# Altium PCB AIM2 REVB.PcbDoc (part 1 of 4) (continued)
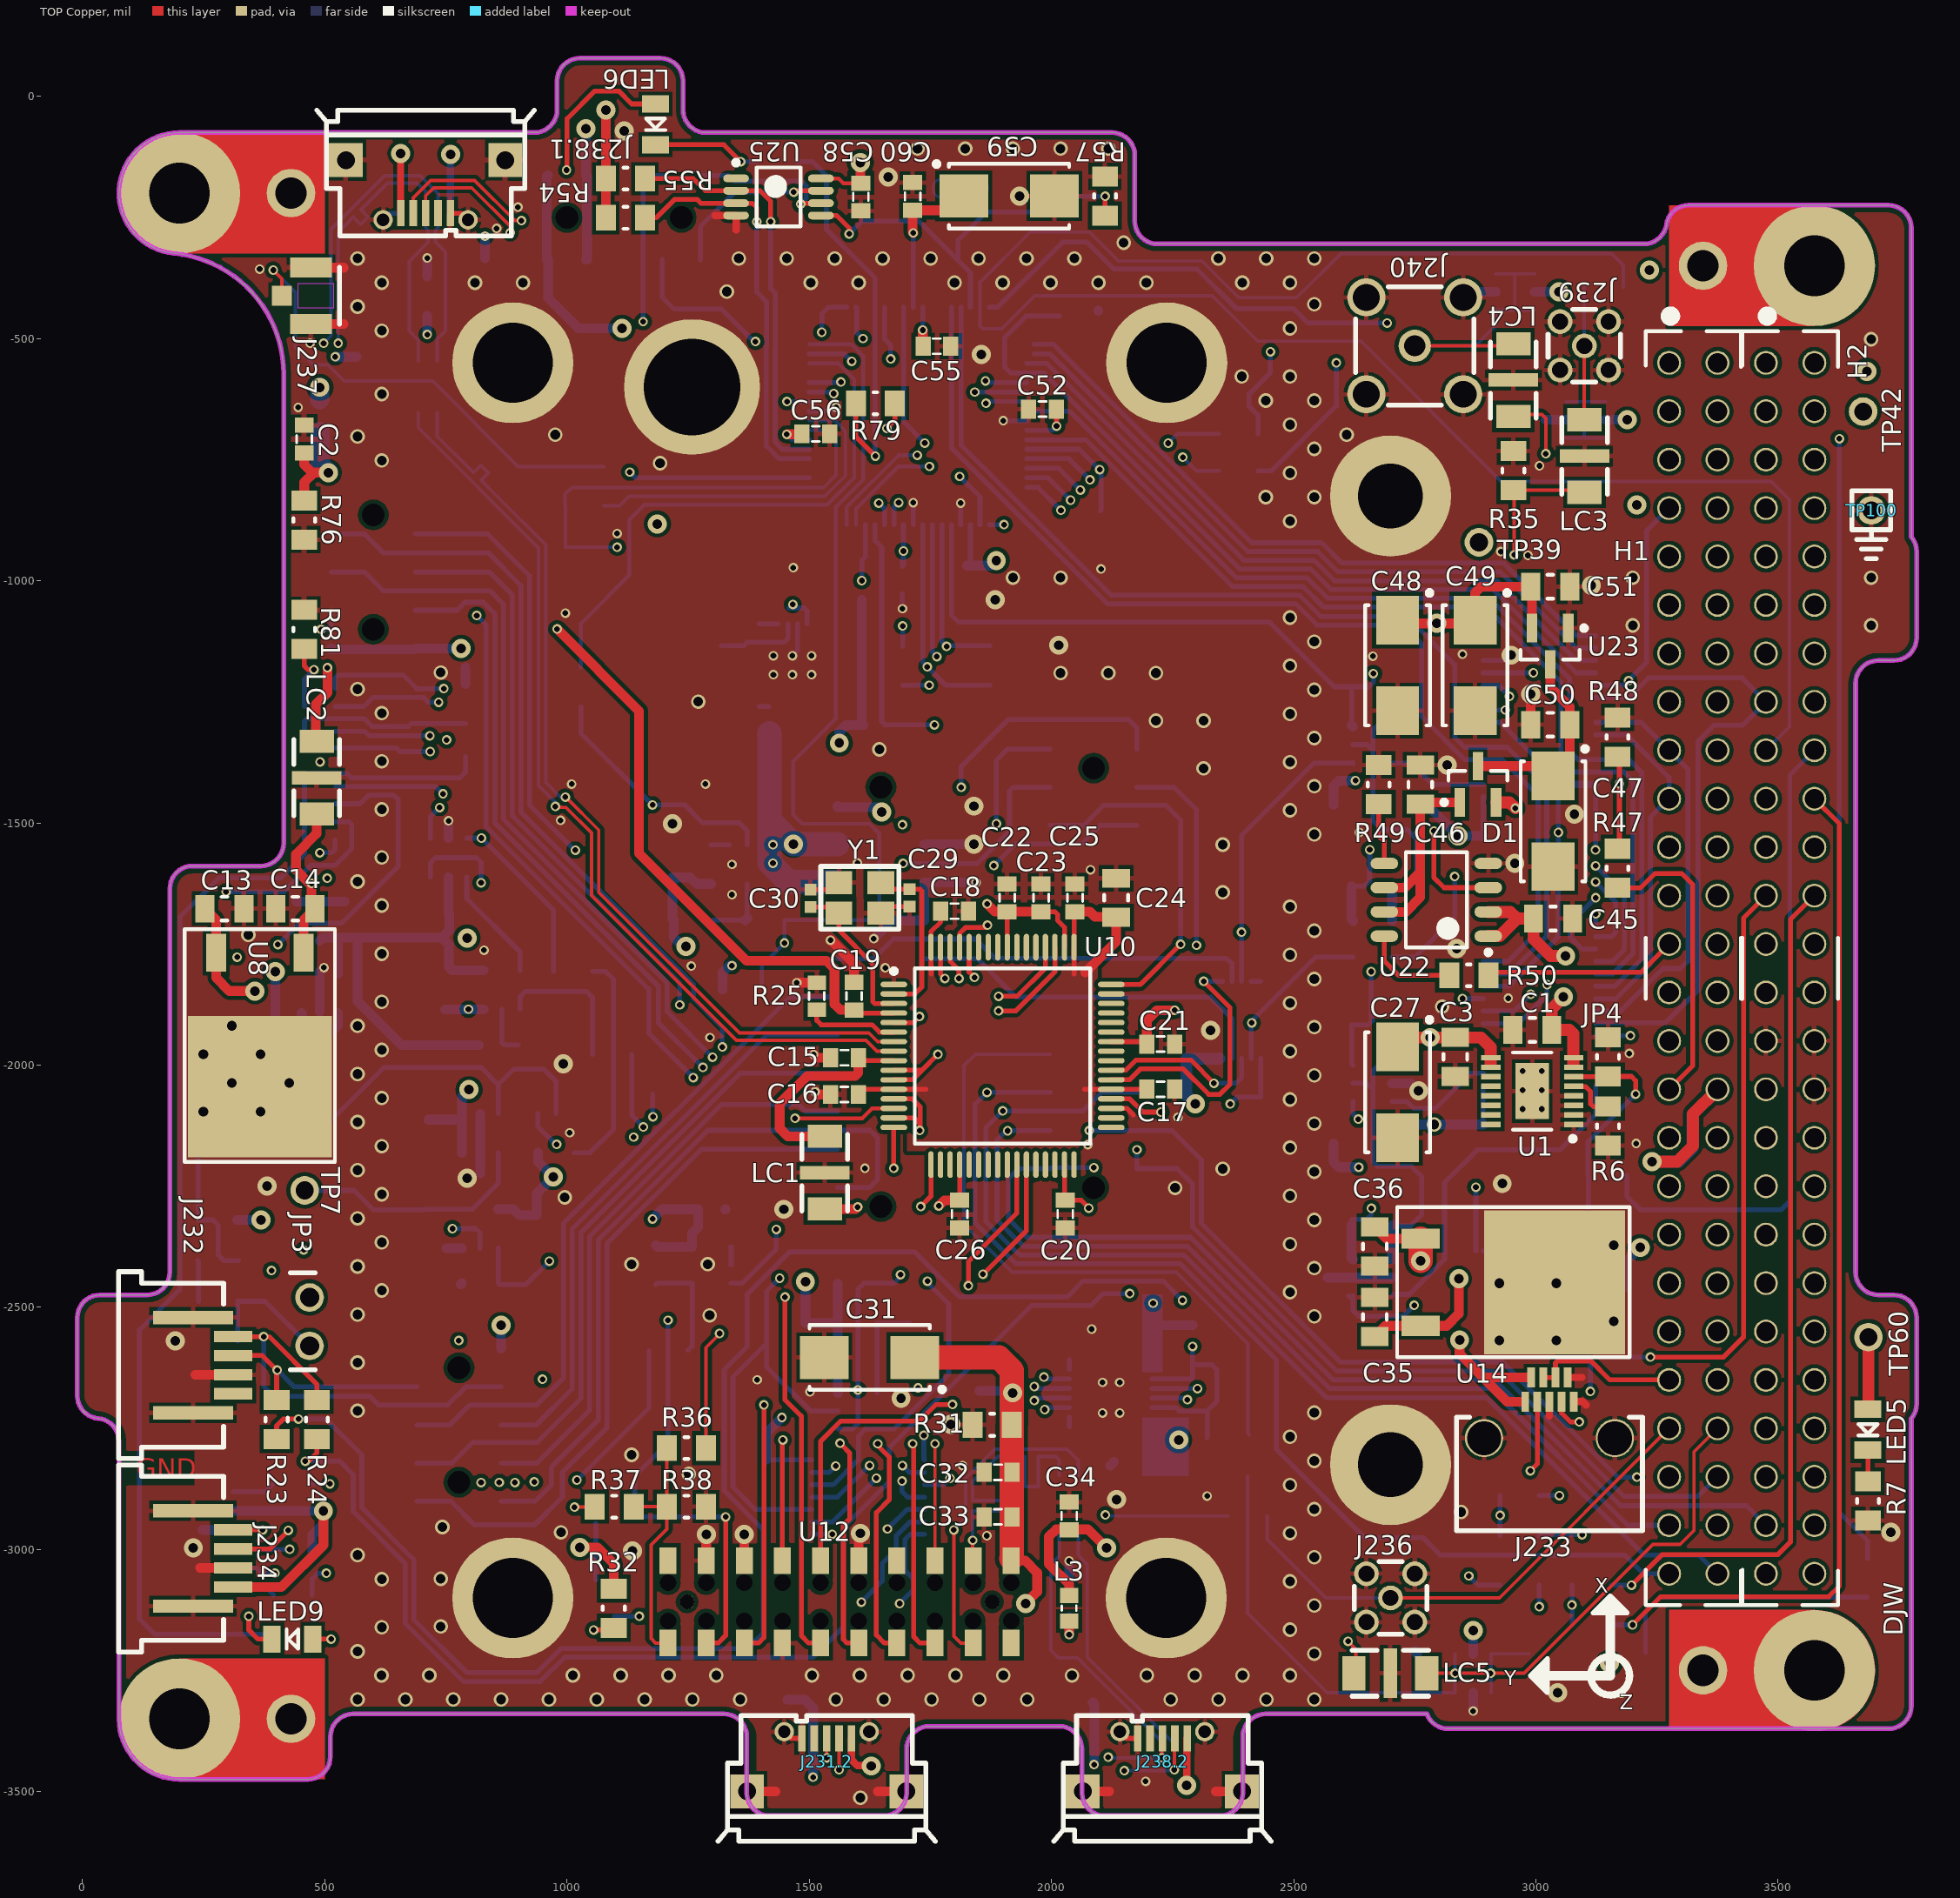
[diagram p0: TOP Copper view]
## Footprints (in the part's own frame and the unit in brackets; to place one, negate y for a bottom-side part, rotate by r counter-clockwise, add the part's x,y. Pads: shape width x height; smd on the part's side, far side on the other; paste and mask are expansions set on the pad)
28-TSSOP [mm] "TSOP, 28-Leads, Body 9.70x4.40mm, Pitch 0.65mm, IPC Medium Density"
  oval 1.4x0.406 smd mask+0.025: 1(-2.95,4.225) 2(-2.95,3.575) 3(-2.95,2.925) 4(-2.95,2.275) 5(-2.95,1.625) 6(-2.95,0.975) 7(-2.95,0.325) 8(-2.95,-0.325) 9(-2.95,-0.975) 10(-2.95,-1.625) 11(-2.95,-2.275) 12(-2.95,-2.925) 13(-2.95,-3.575) 14(-2.95,-4.225) 15(2.95,-4.225) 16(2.95,-3.575) 17(2.95,-2.925) 18(2.95,-2.275) 19(2.95,-1.625) 20(2.95,-0.975) 21(2.95,-0.325) 22(2.95,0.325) 23(2.95,0.975) 24(2.95,1.625) 25(2.95,2.275) 26(2.95,2.925) 27(2.95,3.575) 28(2.95,4.225)
  silkscreen extent -3.07,-4.9 1.85,5.12, body extent -2.25,-4.9 2.25,4.9, height 1.2
"0402 CAP" [mm] "Chip Capacitor, 2-Leads, Body 1.00x0.50mm, IPC Medium Density"
  rect 0.62x0.62 smd mask+0.051: 1(-0.46,0) 2(0.46,0)
  body extent -0.53,-0.28 0.53,0.27, height 0.55
"0603 CAP" [mm] "Chip Capacitor, 2-Leads, Body 1.60x0.81mm, IPC Medium Density"
  rect 0.798x1 smd mask+0.051: 1(-0.726,0) 2(0.726,0)
  silkscreen extent -0.2,-0.4 0.2,0.4, body extent -0.87,-0.48 0.87,0.48, height 0.9
"0603 IND" [mm] "Chip Inductor, 2-Leads, Body 1.60x0.85mm, IPC Medium Density"
  rect 0.8x0.95 smd: 1(-0.675,0) 2(0.675,0)
  silkscreen extent -0.13,-0.38 0.13,0.38, body extent -0.87,-0.48 0.87,0.48, height 0.55
"0603 RES" [mm] "Chip Resistor, 2-Leads, Body 1.60x0.85mm, IPC Medium Density"
  rect 0.739x0.95 smd mask+0.051: 1(-0.705,0) 2(0.705,0)
  silkscreen extent -0.2,-0.4 0.2,0.4, body extent -0.87,-0.48 0.87,0.48, height 0.55
"0805 CAP" [mm] "Chip Capacitor, 2-Leads, Body 2.05x1.25mm, IPC Medium Density"
  rect 1x1.45 smd: 1(-1.025,0) 2(1.025,0)
  silkscreen extent -0.15,-0.63 0.15,0.63, body extent -1.1,-0.7 1.1,0.7, height 1
"0805 LED-GREEN" [mm] "Chip LED, 2-Leads, Body 2.05x1.25mm, IPC Medium Density"
  rect 0.91x1.41 smd: 1(-1.07,0) 2(1.07,0)
  silkscreen extent -0.3,-0.51 0.3,0.5, body extent -1.1,-0.7 1.1,0.7, height 0.8
"0805 LED-ORANGE" [mm] "Chip LED, 2-Leads, Body 2.05x1.25mm, IPC Medium Density"
  rect 0.91x1.41 smd: 1(-1.07,0) 2(1.07,0)
  silkscreen extent -0.3,-0.51 0.3,0.5, body extent -1.1,-0.7 1.1,0.7, height 0.8
"0805 LED-RED" [mm] "Chip LED, 2-Leads, Body 2.05x1.25mm, IPC Medium Density"
  rect 0.91x1.41 smd: 1(-1.07,0) 2(1.07,0)
  silkscreen extent -0.3,-0.51 0.3,0.5, body extent -1.1,-0.7 1.1,0.7, height 0.8
"0805 RES" [mm] "Chip Resistor, 2-Leads, Body 2.05x1.25mm, IPC Medium Density"
  rect 1.05x1.35 smd: 1(-1.025,0) 2(1.025,0)
  silkscreen extent -0.1,-0.58 0.1,0.58, body extent -1.1,-0.7 1.1,0.7, height 0.5
"0805 RES 1 way jumper" [mm] "Chip Resistor, 2-Leads, Body 2.05x1.25mm, IPC Medium Density"
  rect 1.05x1.35 smd: 1(-1.025,0) 2(1.025,0)
  silkscreen extent -0.1,-0.58 0.1,0.58
"0805 RES 2 way jumper - 1" [mm] "Chip Resistor, 2-Leads, Body 2.05x1.25mm, IPC Medium Density"
  rect 1.05x1.35 smd: 1(-1.025,0) 2(1.025,0) 3(3.075,0)
  silkscreen extent -0.07,-0.58 2.13,0.58, body extent -1.07,-0.7 1.13,0.7, height 0.5
"0805 RES - DNP" [mm] "Chip Resistor, 2-Leads, Body 2.05x1.25mm, IPC Medium Density"
  rect 1.05x1.35 smd: 1(-1.025,0) 2(1.025,0)
  silkscreen extent -0.1,-0.58 0.1,0.58
"6032 POLAR CAP" [mm] "Molded Capacitor, 2-Leads, Body 6.00x3.20mm, IPC Medium Density"
  rect 2.55x2.25 smd paste-0.2: 1(-2.375,0) 2(2.375,0)
  silkscreen extent -3.92,-1.7 3.15,1.8, body extent -3.2,-1.7 3.2,1.7, height 2.5
A29100-009 [mil]
  rect 16x41.5 smd mask+0: 1(-50,75.2) 2(-25,75.2) 3(0,75.2) 4(25,75.2) 5(50,75.2) 6(-37.5,125.2) 7(-12.5,125.2) 8(12.5,125.2) 9(37.5,125.2)
  round 78.74 hole 70.08: F(-135.04,0) F(135.04,0)
  silkscreen extent -192,-191 192,43, body extent -187,-187 188,138, height 140
DFN250P320X200-4N [mm] "DFN, 4-Leads, Body 1.60x3.20mm, Pitch 2.50mm, IPC Medium Density"
  rect 1.1x0.6 smd: 1(-1.35,0.5) 2(1.35,0.5) 3(1.35,-0.5) 4(-1.35,-0.5)
  silkscreen extent -1.75,1.25 -1.65,1.35, body extent -1.7,-0.9 1.7,0.9, height 2
DPAK [mm] "D2-PAK/TO-263-AB; 3 Leads (1 Cropped); Body 15.5 (inc. leads) x 10.5 mm (LxW max)"
  rect 1.05x2 smd: 1(-2.29,-5.5) 3(2.29,-5.5)
  rect 7.55x7.4 smd: 2(0,1.524)
  silkscreen extent -3.94,-6.73 3.94,5.46, body extent -3.37,-5.08 3.37,5.02, height 2.37
ELK [mil]
  rect 48x70.87 smd: 1(-75,0) 3(75,0)
  rect 28x102.36 smd: 2(0,0)
  silkscreen extent -79,-47 79,47, body extent -63,-35 63,35, height 87
ESQ-126-37-G-D [mm] "ESQ-126-37-G-D Samtech 52-pin connector"
  round 1.25 hole 1.02: 1(-31.75,-1.27) 2(-31.75,1.27) 3(-29.21,-1.27) 4(-29.21,1.27) 5(-26.67,-1.27) 6(-26.67,1.27) 7(-24.13,-1.27) 8(-24.13,1.27) 9(-21.59,-1.27) 10(-21.59,1.27) 11(-19.05,-1.27) 12(-19.05,1.27) 13(-16.51,-1.27) 14(-16.51,1.27) 15(-13.97,-1.27) 16(-13.97,1.27) 17(-11.43,-1.27) 18(-11.43,1.27) 19(-8.89,-1.27) 20(-8.89,1.27) 21(-6.35,-1.27) 22(-6.35,1.27) 23(-3.81,-1.27) 24(-3.81,1.27) 25(-1.27,-1.27) 26(-1.27,1.27) 27(1.27,-1.27) 28(1.27,1.27) 29(3.81,-1.27) 30(3.81,1.27) 31(6.35,-1.27) 32(6.35,1.27) 33(8.89,-1.27) 34(8.89,1.27) 35(11.43,-1.27) 36(11.43,1.27) 37(13.97,-1.27) 38(13.97,1.27) 39(16.51,-1.27) 40(16.51,1.27) 41(19.05,-1.27) 42(19.05,1.27) 43(21.59,-1.27) 44(21.59,1.27) 45(24.13,-1.27) 46(24.13,1.27) 47(26.67,-1.27) 48(26.67,1.27) 49(29.21,-1.27) 50(29.21,1.27) 51(31.75,-1.27) 52(31.75,1.27)
  silkscreen extent -34.45,-2.5 33.4,2.5, body extent -33.27,-2.48 33.27,2.47, height 11.04
"FQ Crystal" [mm]
  rect 1.4x1.2 smd mask+0.076: 1(-1.1,-0.8) 3(1.1,0.8) F(-1.1,0.8) F(1.1,-0.8)
  silkscreen extent -2.05,-1.65 2.05,1.65, body extent -1.6,-1.25 1.6,1.25, height 0.75
"GND Testpoint" [mm]
  round 1.5 hole 0.94: 1(0,0)
  silkscreen extent -1.02,-2.54 1.02,1.02
"LED SMT RG" [mm]
  rect 1x0.6 smd mask+0.051: 1(0.8,0.475) 2(-0.8,0.475) 3(-0.8,-0.475) 4(0.8,-0.475)
  silkscreen extent -1.28,-0.06 -1.16,0.06, body extent -1,-0.63 1,0.63, height 0.4
MCX [mm]
  round 1.7 hole 1.1: 1(0,0)
  round 2 hole 1.4: 2(-2.54,2.54) 2(-2.54,-2.54) 2(2.54,2.54) 2(2.54,-2.54)
  silkscreen extent -3.1,-3.1 3.1,3.1, body extent -3,-3 3,3, height 5.81
mmcx [mm]
  round 1.3 hole 0.84: 1(0,0) 2(-1.27,1.27) 2(-1.27,-1.27) 2(1.27,1.27) 2(1.27,-1.27)
  silkscreen extent -1.9,-1.9 1.9,1.9, body extent -1.75,-1.75 1.75,1.75, height 4.49
MSOP-10 [mm] "TSSOP, 10-Leads, Body 3.00x3.00mm, Pitch 0.50mm, IPC Medium Density"
  oval 1.65x0.292 smd mask+0: 1(-2.025,1) 2(-2.025,0.5) 3(-2.025,0) 4(-2.025,-0.5) 5(-2.025,-1) 6(2.025,-1) 7(2.025,-0.5) 8(2.025,0) 9(2.025,0.5) 10(2.025,1)
  silkscreen extent -2.15,-1.5 0.8,1.85, body extent -2.37,-1.5 2.37,1.5, height 1.1
MSOP-16 [mm] "MSOP-23, 16-Leads, Exposed Die Pad, Body 4.1x3.1mm"
  rect 1.01x0.292 smd mask+0: 1(-2.17,1.75) 2(-2.17,1.25) 3(-2.17,0.75) 4(-2.17,0.25) 5(-2.17,-0.25) 6(-2.17,-0.75) 7(-2.17,-1.25) 8(-2.17,-1.75) 9(2.17,-1.75) 10(2.17,-1.25) 11(2.17,-0.75) 12(2.17,-0.25) 13(2.17,0.25) 14(2.17,0.75) 15(2.17,1.25) 16(2.17,1.75)
  rect 1.75x2.945 smd paste-2 mask+0: 17(0,0)
  silkscreen extent -2.25,-2.02 1,2.62, body extent -2.44,-2.02 2.44,2.03, height 1
OEM719 [mil]
  rect 35x55 smd: 1(-277.76,97.96) 2(-277.76,-72.04) 3(-199.06,97.96) 4(-199.06,-72.04) 5(-120.36,97.96) 6(-120.36,-72.04) 7(-41.66,97.96) 8(-41.66,-72.04) 9(37.04,97.96) 10(37.04,-72.04) 11(115.74,97.96) 12(115.74,-72.04) 13(194.44,97.96) 14(194.44,-72.04) 15(273.14,97.96) 16(273.14,-72.04) 17(351.84,97.96) 18(351.84,-72.04) 19(430.54,97.96) 20(430.54,-72.04)
  round 250 hole 165: F(-598.83,-2545.09) F(-597.83,4.91) F(751.17,4.91) F(751.17,-2545.09)
  round 30 hole 34 unplated: ""(-277.76,-26.41) ""(-277.76,52.34) ""(-199.06,-26.41) ""(-199.06,52.34) ""(-120.36,-26.41) ""(-120.36,52.34) ""(-41.66,52.34) ""(-41.66,-26.41) ""(37.04,52.34) ""(37.04,-26.41) ""(115.74,-26.41) ""(115.74,52.34) ""(194.44,-26.41) ""(194.44,52.34) ""(273.14,-26.41) ""(273.14,52.34) ""(351.84,-26.41) ""(351.84,52.34) ""(430.54,-26.41) ""(430.54,52.34)
  round 30 hole 30: ""(-238.41,12.96) ""(391.19,12.96)
  body extent -316,-90 471,113, height 87
SFW4R-2STE1LF [mm]
  rect 0.6x2 smd mask+0.038: 1(-1.5,0) 2(-0.5,0) 3(0.5,0) 4(1.5,0)
  rect 0.7x4.2 smd mask+0.038: F(-2.5,-2.1) F(2.5,-2.1)
  silkscreen extent -4.9,-6 4.9,-0.5, body extent -4.9,-5.9 4.9,0.6, height 2.7
SFW6R-1STE1LF [mm]
  rect 0.6x2 smd far side mask+0.038: 1(2.5,0) 2(1.5,0) 3(0.5,0) 4(-0.5,0) 5(-1.5,0) 6(-2.5,0)
  rect 0.7x4.2 smd far side mask+0.038: F(-3.5,-2.1) F(3.5,-2.1)
  body extent -5.9,-5.9 5.9,0.6, height 2.7
SM$5C$ZX62RD-AB-5P8 [mm]
  rect 0.4x1.35 smd: 1(1.3,-0.7) 2(0.65,-0.7) 3(0,-0.7) 4(-0.65,-0.7) 5(-1.3,-0.7)
  rect 1.778x1.778 hole 0.94: F(-4.175,-3.475) F(4.175,-3.475)
  round 1.016 hole 0.66: F(-2.225,-0.35) F(2.225,-0.35)
  silkscreen extent -5.7,-6.1 5.7,0.5, body extent -4.32,-6.1 4.33,-0.2, height 2.79
SOIC127P600X175-8N [mm] "SOIC, 8-Leads, Body 4.90x3.90mm, Pitch 1.27mm, IPC Medium Density"
  oval 1.45x0.6 smd: 1(-2.725,1.905) 2(-2.725,0.635) 3(-2.725,-0.635) 4(-2.725,-1.905) 5(2.725,-1.905) 6(2.725,-0.635) 7(2.725,0.635) 8(2.725,1.905)
  silkscreen extent -2.85,-2.5 1.6,2.88, body extent -3,-2.5 3,2.5, height 1.75
SOT23-3 [mm] "SOT23, 3-Leads, Body 2.90x2.45mm, Pitch 0.95mm, IPC Medium Density"
  rect 1.5x0.55 smd: 1(-0.95,0.95) 2(-0.95,-0.95) 3(0.95,0)
  silkscreen extent -1.07,-1.55 0.7,1.9, body extent -1.3,-1.52 1.3,1.53, height 1.45
SOT23-5 [mm] "SOT23, 5-Leads, Body 2.90x2.45mm, Pitch 0.95mm, IPC Medium Density"
  rect 1.05x0.55 smd: 1(-1.025,0.95) 2(-1.025,0) 3(-1.025,-0.95) 4(1.025,-0.95) 5(1.025,0.95)
  silkscreen extent -1.15,-1.55 0.1,1.9, body extent -1.3,-1.52 1.3,1.53, height 1.45
SOT23-6 [mm] "SOT23, 6-Leads, Body 2.90x2.45mm, Pitch 0.95mm, IPC Medium Density"
  rect 1.05x0.55 smd: 1(-1.025,0.95) 2(-1.025,0) 3(-1.025,-0.95) 4(1.025,-0.95) 5(1.025,0) 6(1.025,0.95)
  silkscreen extent -1.15,-1.55 0.1,1.9, body extent -1.3,-1.52 1.3,1.53, height 1.45
Testpoint [mm]
  round 1.5 hole 0.94: 1(0,0)
TMM-105-06-G-D-SM [mm]
  rect 1.02x3.15 smd: 1(-4,-2.21) 2(-4,2.21) 3(-2,-2.21) 4(-2,2.21) 5(0,-2.21) 6(0,2.21) 7(2,-2.21) 8(2,2.21) 9(4,-2.21) 10(4,2.21)
  round 0 hole 1.19 unplated: ""(-3,0) ""(3,0)
  silkscreen extent -5.6,-3.53 5,3.53, body extent -5,-3.53 5,3.53, height 7.04
TSOP65P490X110-8N [mm] "TSOP, 8-Leads, Body 3.00x3.00mm, Pitch 0.65mm, IPC Medium Density"
  oval 1.35x0.406 smd mask+0.025: 1(-2.225,0.975) 2(-2.225,0.325) 3(-2.225,-0.325) 4(-2.225,-0.975) 5(2.225,-0.975) 6(2.225,-0.325) 7(2.225,0.325) 8(2.225,0.975)
  silkscreen extent -2.35,-1.55 1.15,1.92, body extent -2.37,-1.55 2.46,1.55, height 1.1
TSOP190P250X90-2N [mm] "TSOP, 2-Leads, Body 1.25x1.70mm, Pitch 1.90mm, IPC Medium Density"
  oval 1.35x0.9 smd: 1(-1.1,0) 2(1.1,0)
  silkscreen extent -1.22,-0.7 0.02,0.9, body extent -1.3,-0.7 1.3,0.7, height 0.9
TSOP-16 [mm]
  oval 1.4x0.4 smd mask+0.02: 1(-2.95,2.275) 2(-2.95,1.625) 3(-2.95,0.975) 4(-2.95,0.325) 5(-2.95,-0.325) 6(-2.95,-0.975) 7(-2.95,-1.625) 8(-2.95,-2.275) 9(2.95,-2.275) 10(2.95,-1.625) 11(2.95,-0.975) 12(2.95,-0.325) 13(2.95,0.325) 14(2.95,0.975) 15(2.95,1.625) 16(2.95,2.275)
  silkscreen extent -3.08,-2.55 1.85,3.17, body extent -3.25,-2.55 3.25,2.55, height 1.1
TSQFP50P1200X1200X120_HS-65N [mm] "TSQFP, 64-Leads, Body 10.00x10.00mm, Pitch 0.50mm, Thermal Pad 5.41x6.29mm, IPC Medium Density"
  oval 1.4x0.279 smd mask+0: 1(-5.7,3.75) 2(-5.7,3.25) 3(-5.7,2.75) 4(-5.7,2.25) 5(-5.7,1.75) 6(-5.7,1.25) 7(-5.7,0.75) 8(-5.7,0.25) 9(-5.7,-0.25) 10(-5.7,-0.75) 11(-5.7,-1.25) 12(-5.7,-1.75) 13(-5.7,-2.25) 14(-5.7,-2.75) 15(-5.7,-3.25) 16(-5.7,-3.75) 33(5.7,-3.75) 34(5.7,-3.25) 35(5.7,-2.75) 36(5.7,-2.25) 37(5.7,-1.75) 38(5.7,-1.25) 39(5.7,-0.75) 40(5.7,-0.25) 41(5.7,0.25) 42(5.7,0.75) 43(5.7,1.25) 44(5.7,1.75) 45(5.7,2.25) 46(5.7,2.75) 47(5.7,3.25) 48(5.7,3.75)
  oval 0.279x1.4 smd mask+0: 17(-3.75,-5.7) 18(-3.25,-5.7) 19(-2.75,-5.7) 20(-2.25,-5.7) 21(-1.75,-5.7) 22(-1.25,-5.7) 23(-0.75,-5.7) 24(-0.25,-5.7) 25(0.25,-5.7) 26(0.75,-5.7) 27(1.25,-5.7) 28(1.75,-5.7) 29(2.25,-5.7) 30(2.75,-5.7) 31(3.25,-5.7) 32(3.75,-5.7) 49(3.75,5.7) 50(3.25,5.7) 51(2.75,5.7) 52(2.25,5.7) 53(1.75,5.7) 54(1.25,5.7) 55(0.75,5.7) 56(0.25,5.7) 57(-0.25,5.7) 58(-0.75,5.7) 59(-1.25,5.7) 60(-1.75,5.7) 61(-2.25,5.7) 62(-2.75,5.7) 63(-3.25,5.7) 64(-3.75,5.7)
  silkscreen extent -5.82,-4.6 4.6,4.6, body extent -6,-6 6,6, height 1.2
TSW-102-22-L-S-RA [mm] "Connector; Header; 3 Position; Right Angle. Through hole"
  round 1.5 hole 1: 1(0,0) 2(2.54,0)
  silkscreen extent -1.3,-1 3.8,0.3, body extent -1.27,-9.91 3.81,0.32, height 5.87
TW-13-06-X-D-390-SM-A [mil]
  rect 40x119 smd mask+2: 1(-354.33,-89.5) 2(-354.33,89.5) 3(-275.59,-89.5) 4(-275.59,89.5) 5(-196.85,-89.5) 6(-196.85,89.5) 7(-118.11,-89.5) 8(-118.11,89.5) 9(-39.37,-89.5) 10(-39.37,89.5) 11(39.37,-89.5) 12(39.37,89.5) 13(118.11,-89.5) 14(118.11,89.5) 15(196.85,-89.5) 16(196.85,89.5) 17(275.59,-89.5) 18(275.59,89.5) 19(354.33,-89.5) 20(354.33,89.5) 21(433.07,-89.5) 22(433.07,89.5) 23(511.81,-89.5) 24(511.81,89.5) 25(590.55,-89.5) 26(590.55,89.5)
  round 0 hole 46.85 unplated: ""(-314.96,0) ""(551.18,0)
  silkscreen extent -417,-138 630,138, body extent -394,-132 630,133, height 605
"UFL Connector" [mm]
  rect 1.05x1.05 smd: 1(0,-1.525)
  rect 1.05x2.2 smd: 2(-1.475,0) 2(1.475,0)
  TOP Copper keep-out region: -0.635,-0.686 0.635,-0.686 0.635,1.193 -0.635,1.193
  silkscreen extent -1.5,1.5 1.5,1.5, body extent -1.5,-1.53 1.5,1.57, height 1.25

## Part data
C1 C4 C24 C37 C38 C39: library part "Capacitor 4.7uF 0805", "Capacitor 4.7uF 0805 X7R 35V 10%"
C2 C6 C7 C8 C9 C10 C11 C12 C15 C16 C17 C18 C19 C20 C21 C22 C23 C25 C26 C28 C32 C34 C40 C41 C42 C43 C44 C52 C53 C54 C55 C56 C57 C58 C60 C61 C62 C63 C65 C66 C69 C70 C71 C72 C73: library part "Capacitor 100nF 0603", "Capacitor 100nF 0603 X7R 50V 5%"
C3 C5 C13 C14 C35 C36 C45 C46 C50 C51 C67: library part "Capacitor 1uF 0805", "Capacitor 1uF 0805 X7R 25V 10%"
C27 C31: library part "Capacitor 10uF 6032 Tantalum", "Capacitor 10uF 6032 TANT 16V 10%"
C29 C30: library part "Capacitor 27pF 0402", "Capacitor 27pF 0402 NP0 50V 1%"
C33: library part "Capacitor 850pF 0603", "Capacitor 850pF 0603 100V"
C47 C48 C49 C59: library part "Tantalum Cap 10uF", "Capacitor 10uF 6032 TANT 16V 10%"
C64: library part "Capacitor 10nF 0805", "Capacitor 10nF 0805 X7R 50V 5%"
C68: library part "Capacitor 2.2uF 0805", "Capacitor 2.2uF 0805 X7R 35V 10%"
D1: "Diode Pair common cathode"
D2: "Diode 3.3V zener"
H1: library part "CubesatBus-H1 no labels", "Header PC/104 52-pin"
H2: library part "CubesatBus-H2 no labels", "Header PC/104 52-pin"
H4 H5 H8: library part "5x2 2mm Header", "Header 5x2 TH 2mm pitch"
H10 H11: library part "13x2 2mm Header", "Header 13x2 TH 2mm pitch"
J231.1 J231.2 J238.1 J238.2: "Header USB Micro AB"
J232 J234: "Header Flex Connector 4 pin, top side"
J233: "Header Omnetics A29100-009"
J235: "Header Flex Connector 6 pin, bottom side"
J236 J239: "Header MMCX Through-hole vertical"
J240: "Header MCX Through-hole vertical"
JP1 JP2: library part "Jumper 2 way 0805", "Jumper 0805 2 pos"
JP3: library part "2x1 RA Header TH raised", "Header 2x1 RA TH raised"
JP4: library part "Jumper 1 way 0805", "Jumper 0805 1 pos"
L1 L3: library part "Ferrite Bead 300ohm @ 100MHz", "Ferrite Bead 300ohm @ 100MHz"
L2 L4: library part "Choke 90ohm @ 100MHz", "Choke Common-mode 90ohm @ 100MHz"
LC1 LC2 LC3 LC4 LC5: library part "LC Filter", "Filter LC 100MHz"
LED0 LED1 LED2 LED3: library part "LED RED/GREEN 0805", "LED Red, Green 0805"
LED5 LED6 LED9: library part "LED GREEN 0805", "LED Green 0805"
LED7: library part "LED ORANGE 0805", "LED Orange 0805"
LED8: library part "LED RED 0805", "LED Red 0805"
Q1 Q2: library part MMBT2222ALT1GOSCT-ND, "Transistor NPN"
R1 R2 R8 R10 R11 R13 R35 R38 R48 R57 R59 R60 R61 R64 R69 R72 R73 R74 R82: library part "Resistor 100K 0805", "Resistor 100K 0805 0.5W 1%"
R3 R5 R31 R33 R58 R75: library part "Resistor 4K7 0805", "Resistor 4.7K 0805 0.125W 1%"
R6 R9: "Resistor 200R 0805 0.125W 1%"
R7: library part "Resistor 510R 0805", "Resistor 470K 0805 0.125W 1%"
R12 R14 R17 R18 R19 R20 R21 R22 R23 R24 R34 R36 R37 R47 R62 R63 R83 R84: library part "Resistor 0R 0805", "Resistor 0R 0805 0.125W"
R15 R16 R50: library part "Resistor 100R 0805", "Resistor 100R 0805 0.125W 1%"
R25: library part "Resistor 12K 0603", "Resistor 12K 0603 0.1W 1%"
R26 R27 R28 R66 R67 R70 R79: library part "Resistor 10K 0805", "Resistor 10K 0805 0.125W 1%"
R29: library part "Resistor 2K2 0805", "Resistor 2.2K 0805 0.125W 1%"
R30 R32 R56 R65 R77 R78 R80 R81: library part "Resistor 220R 0805", "Resistor 220R 0805 0.125W 1%"
R39 R40 R41 R42: library part "Resistor 470K 0805", "Resistor 470K 0805 0.125W 0.1%"
R43 R44: library part "Resistor 200K 0805", "Resistor 200K 0805 0.125W 1%"
R45 R46: library part "Resistor 680R 0805", "Resistor 470K 0805 0.125W 1%"
R49: library part "Resistor 6K04 0805", "Resistor 6.04K 0805 0.125W 0.1%"
R51: library part "Resistor 130R 0805", "Resistor 130R 0805 0.125W 1%"
R52 R53 R76: library part "Resistor 1K 0805", "Resistor 1K 0805 0.125W 1%"
R54 R55: library part "Resistor 1.5K 0805", "Resistor 1.5K 0805 0.125W 1%"
R68 R71: library part "Resistor 150R 0805", "Resistor 150R 0805 0.125W 1%"
TP100: "Testpoint GND"
U1 U2 U17: library part LTC4415, "IC Driver Dual Idewal Diode"
U3: "IC Analog Switch DPDT"
U4 U26: library part TPS3838K33DBVR, "IC Supervisor Reset"
U5 U19: "IC Multiplexer 2x 8:1"
U6 U7 U20 U21 U31: "IC Logic Isolator 1 channel"
U8 U14 U23: "Regulator 3.3V LDO"
U9 U13 U15 U16 U18: "IC ESD protection 4 input"
U10: "IC FTDI 4 port controller"
U11: "IC Memory EEPROM 2Kbit"
U12: "GPS Reciever"
U22: library part MAX890LESA, "IC Power Monitor"
U24: "IC Processor 16 bit"
U25: "IC Translator I2C"
U27: "IC Logic OR 1 channel"
U28: "IC Supervisor Watchdog"
U29: "IC Logic AND 2 input"
U30: library part TPS70933, "Regulator 3.3 V LDO"
U32: "IC Processor 8 bit"
U33: "IC Shift Register"
Y1: "Crystal 12MHz"

## Free pads (board coordinates)
  round 280 hole 200: 0(1258,-600)
  round 250 hole 134: 0(2700,-2825) 0(2700,-825)
  round 250 / inner round 150 / far side round 250 hole 125: ""(200.05,-3349.57) ""(200.05,-199.57) ""(3575.05,-3249.57) ""(3575.05,-349.57)
  round 100 hole 65: ""(430.05,-3349.57) ""(430.05,-199.57) ""(3345.05,-349.57) ""(3345.05,-3249.57)

## Via types
v1: diameter 19.68, hole 11.81, TOP Copper to BOT Copper, tented both sides, 337 vias
v2: diameter 30, hole 20, TOP Copper to BOT Copper, tented bottom, 144 vias
v3: diameter 39.37, hole 19.68, TOP Copper to BOT Copper, tented both sides, 83 vias
v4: diameter 30, hole 20, TOP Copper to BOT Copper, tented both sides, 56 vias